# Altium PCB PCB1.PcbDoc
Units mm, origin at the board's own origin, x right, y up, seen from the top; angles counter-clockwise.
Board outline 75.25 x 70.5 mm, 2 copper layers (Top Layer, Bottom Layer); 26 components, 28 nets, 106 pads, 1 vias.
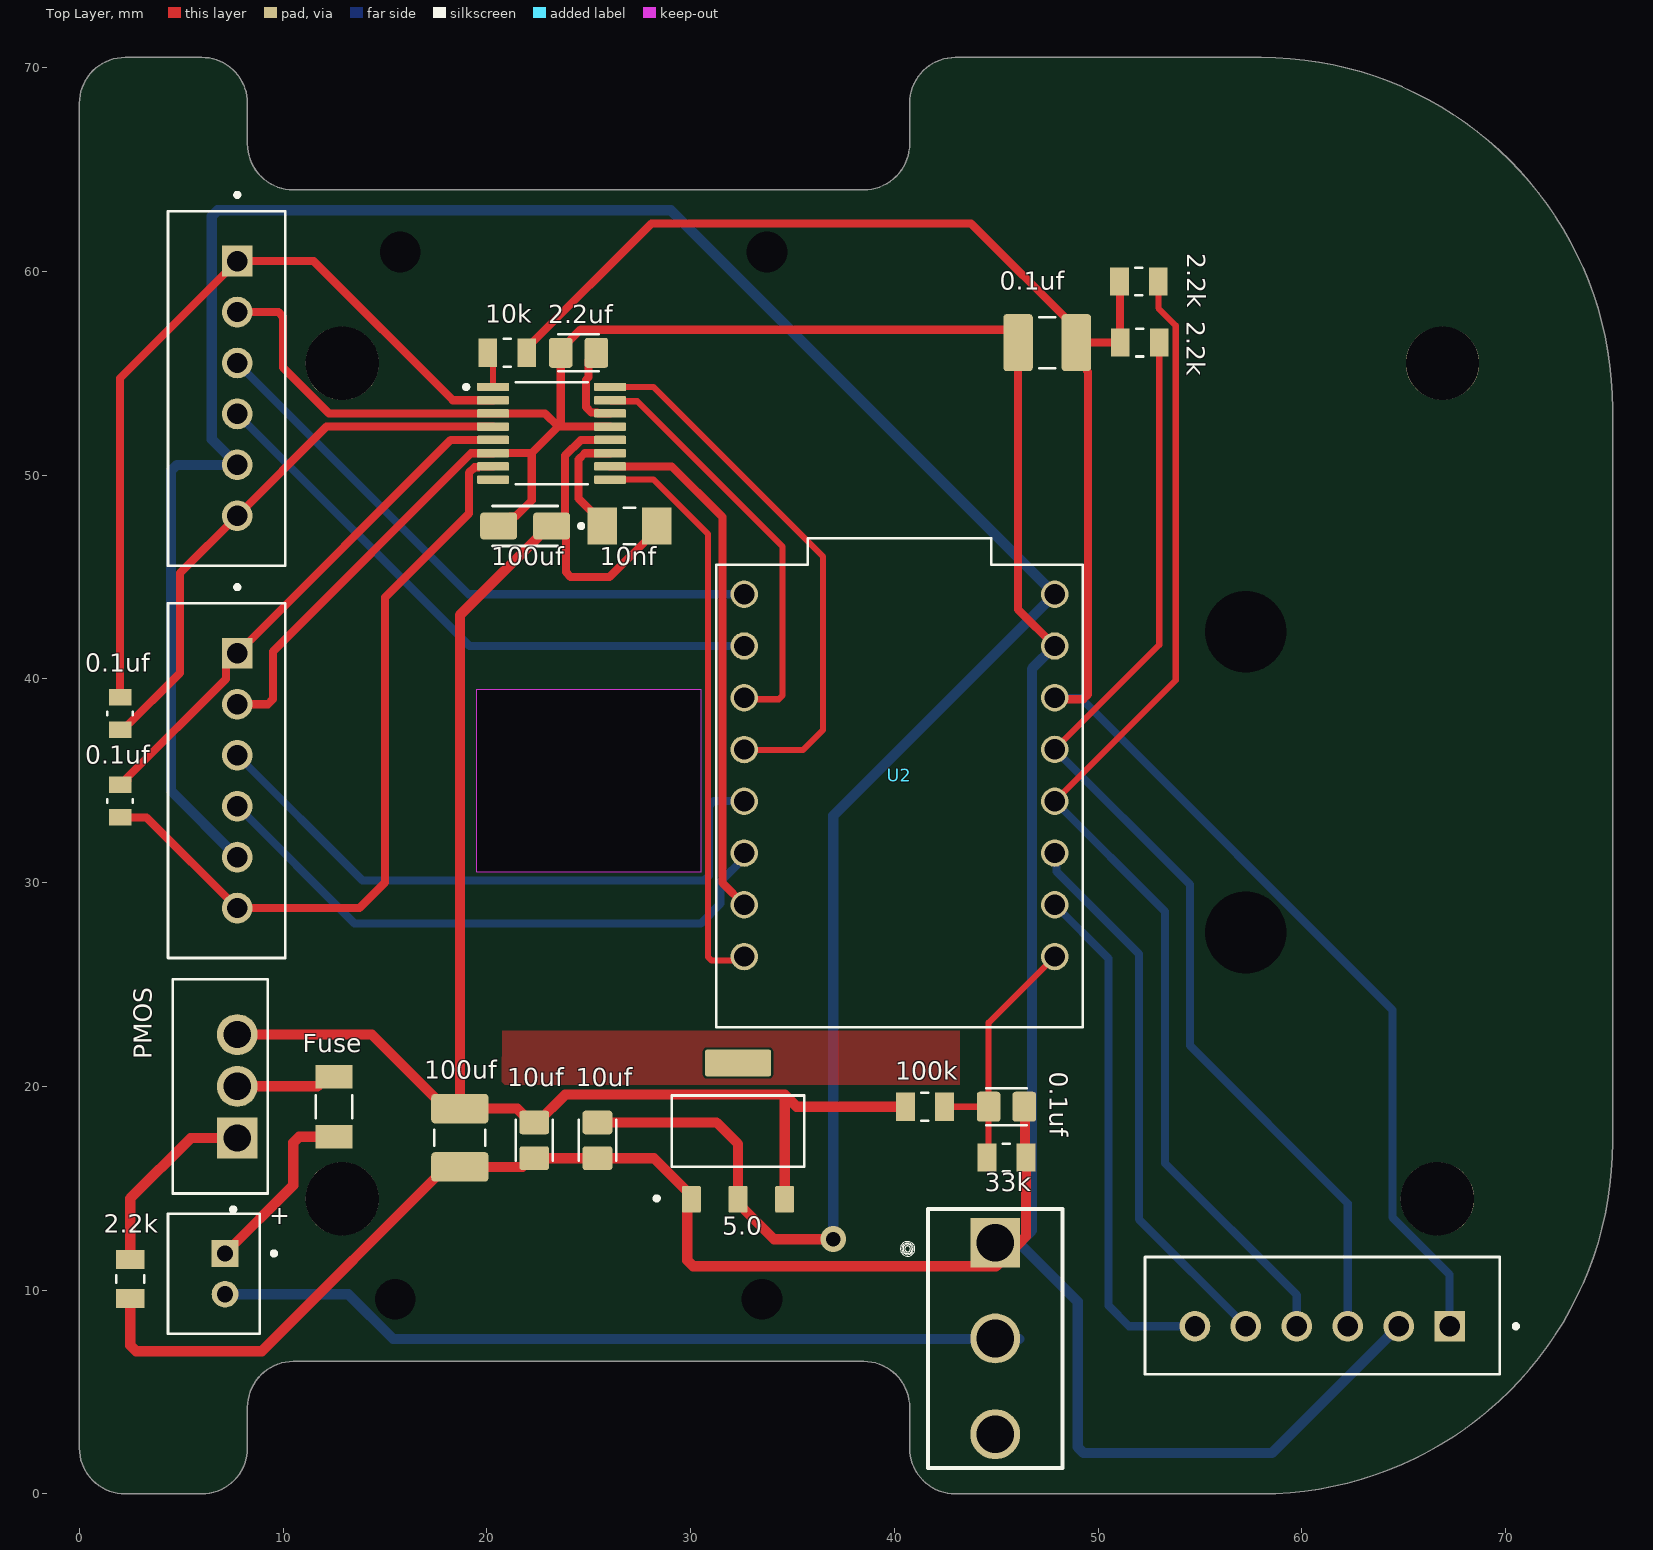
[diagram p0: Top Layer view]
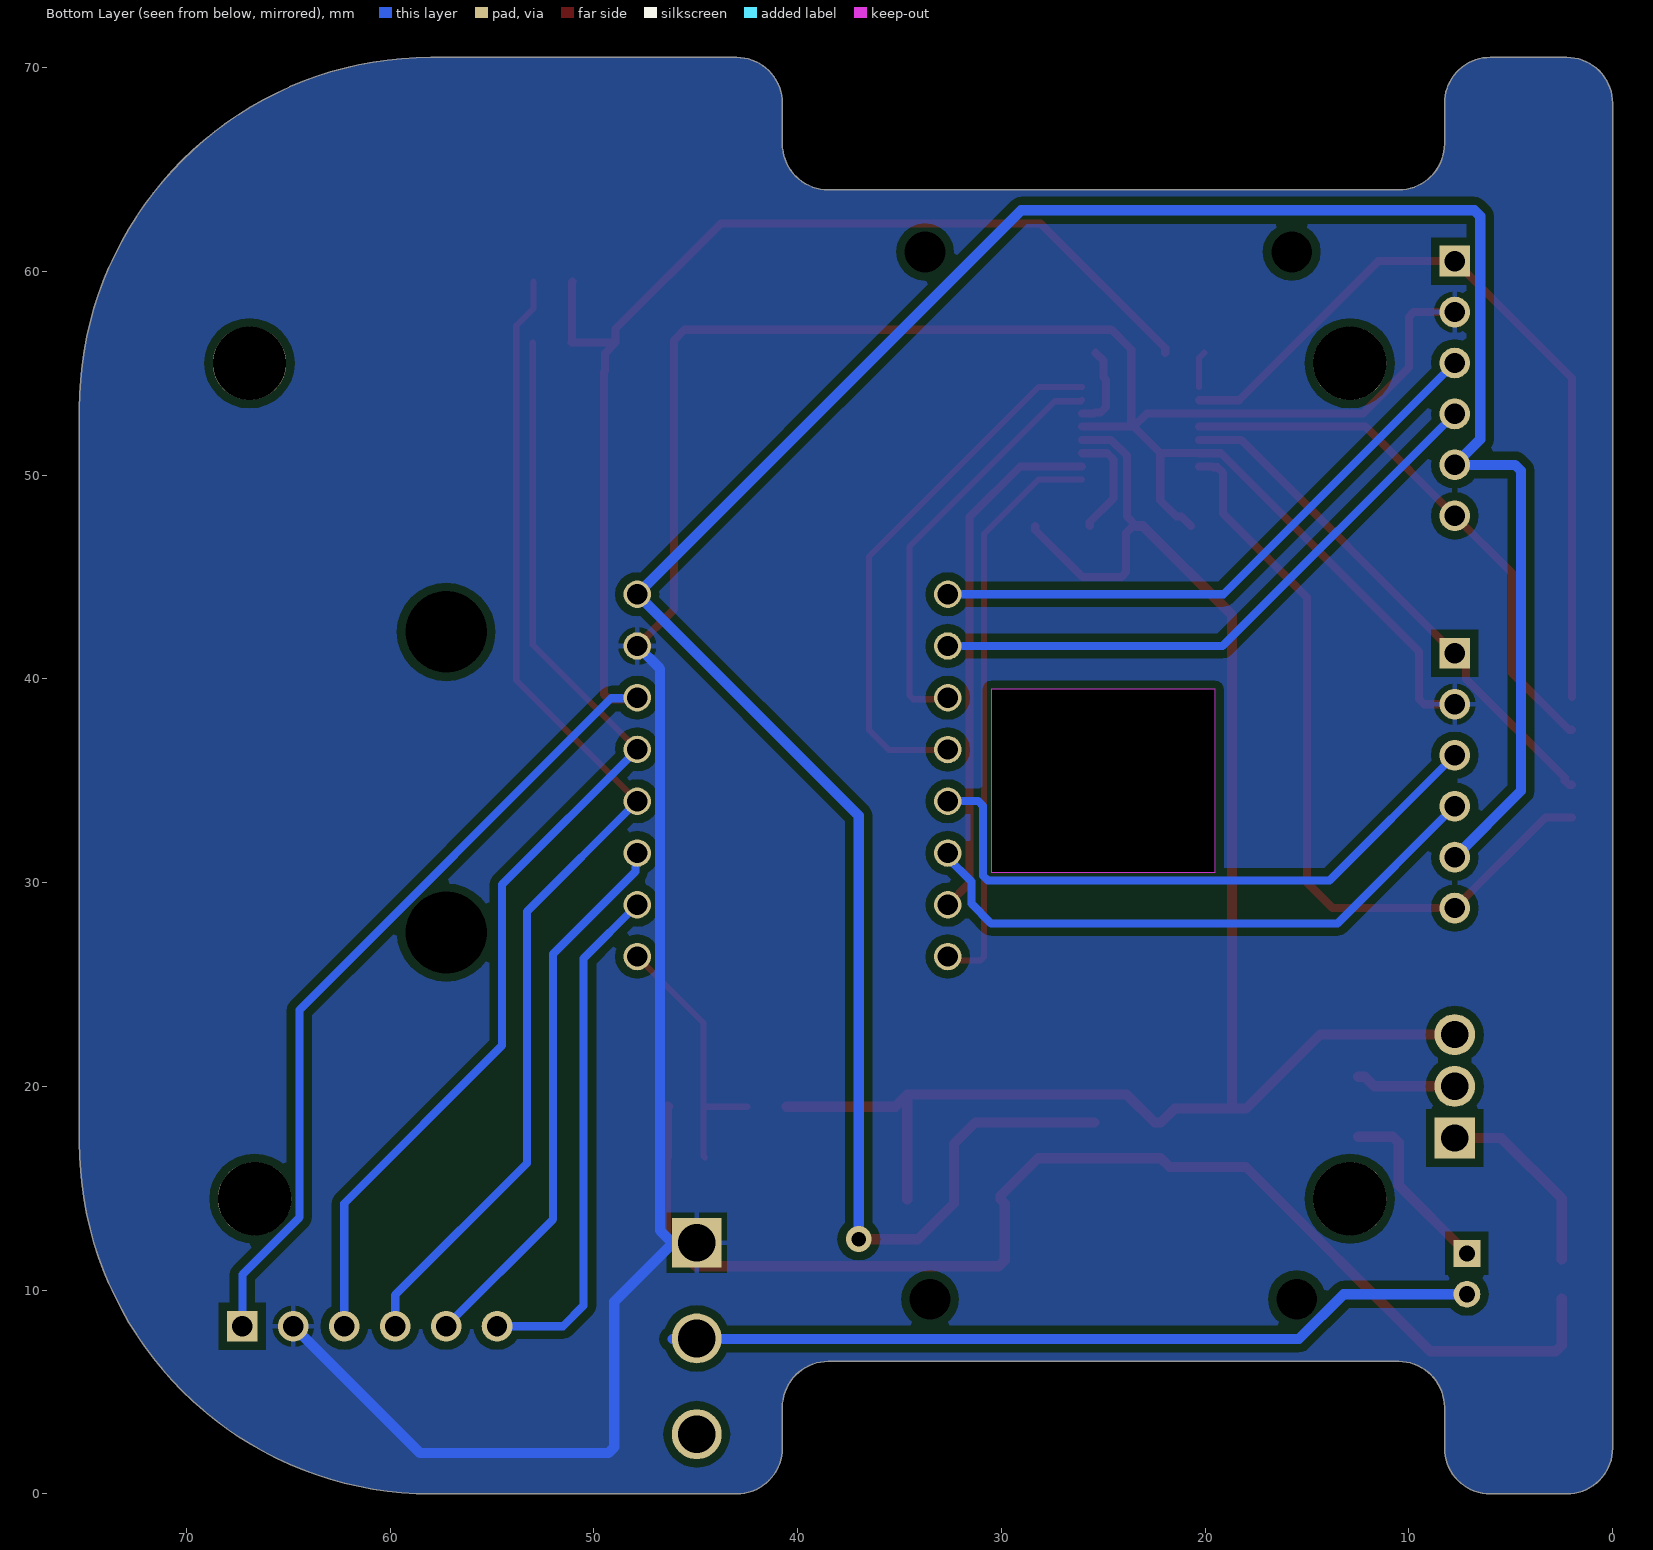
[diagram p1: Bottom Layer view, seen from below]

## Layer stack, top to bottom
Top Solder: solder mask 0.0102, Solder Resist, Dk 3.5
Top Layer: signal copper 0.0356
Dielectric 1: dielectric 0.32, FR-4, Dk 4.8
Bottom Layer: signal copper 0.0356
Bottom Solder: solder mask 0.0102, Solder Resist, Dk 3.5

## Board outline
2.25,0 6,0 ccw(c6,2.25) 8.25,2.25 8.25,4.25 cw(c10.5,4.25) 10.5,6.5 38.5,6.5 cw(c38.5,4.25) 40.75,4.25 40.75,2.25 ccw(c43,2.25) 43,0 58,0 ccw(c58,17.25) 75.25,17.25 75.25,53.25 ccw(c58,53.25) 58,70.5 43,70.5 ccw(c43,68.25) 40.75,68.25 40.75,66.25 cw(c38.5,66.25) 38.5,64 10.5,64 cw(c10.5,66.25) 8.25,66.25 8.25,68.25 ccw(c6,68.25) 6,70.5 2.25,70.5 ccw(c2.25,68.25) 0,68.25 0,2.25 ccw(c2.25,2.25)
cut-out: 19.5,30.5 19.5,39.5 30.5,39.5 30.5,30.5

## Design rules (kind name [scope] priority, off if disabled: settings)
Clearance clear [InNamedPolygon('+5_L01_P003')] p1: gap=0.1 ignorepadtopadclearanceinfootprint=FALSE
Clearance polygon [InPolygon] p2: gap=0.4 ignorepadtopadclearanceinfootprint=FALSE
Clearance [All] p3: gap=0.2 ignorepadtopadclearanceinfootprint=FALSE
HoleSize [All] p1: absolutevalues=TRUE maxlimit=4.54 minlimit=0.025 maxpercent=80.000 minpercent=20.000
MinimumSolderMaskSliver [All] p1: minsoldermaskwidth=0.1
PolygonConnect [All] p1: connectstyle=Relief reliefconductorwidth=0.254 reliefentries=4 polygonreliefangle="90 Angle" airgapwidth=0.254
RoutingVias [All] p1: holewidth=0.711 width=1.27 viastyle="Through Hole" minholewidth=0.711 minwidth=1.27 maxholewidth=0.711 maxwidth=1.27
SilkToSilkClearance [All] p1: silktosilkclearance=0.001
SilkToSolderMaskClearance [IsPad] p1: minsilkscreentomaskgap=0.001 clearancetoexposedcopper=TRUE
SolderMaskExpansion [All] p1: expansion=0.05 istentingtop=FALSE
SupplyNets "Schematic Supply Nets_3" [InNet('GND')] p1: voltage=0.000
SupplyNets "Schematic Supply Nets_2" [InNet('VCC')] p2: voltage=0.000
SupplyNets "Schematic Supply Nets_1" [InNet('+5')] p3: voltage=0.000
SupplyNets "Schematic Supply Nets" [InNet('+3.3')] p4: voltage=0.000
Width All [All] p1: maxlimit=0.8 minlimit=0.2 preferedwidth=0.4
26 further rules are at their usual default settings.

## Components (designator, comment, footprint, x,y, rotation, side; value= is the part's Value field where it differs from the comment)
0.1uf "0.1uf" CAPC3225X280N 47.5,56.5 r180 top (schematic designator C9)
0.1uf "C0805C473K1RACTU" CAPC2012X88N 45.5,19 r0 top (schematic designator C8)
0.1uf "0.1uf" CAP_ECHU1H181GX5 2,34 r90 top (schematic designator C5)
0.1uf "0.1uf" CAP_ECHU1H181GX5 2,38.3 r90 top (schematic designator C4)
2.2k "RC0805JR-0739RL" RESC2012X60N 2.5,10.545 r90 top (schematic designator R5)
2.2k "RC0805JR-0739RL" RESC2012X60N 52,59.5 r0 top (schematic designator R3)
2.2k "RC0805JR-0739RL" RESC2012X60N 52.045,56.5 r0 top (schematic designator R2)
2.2uf "C0805C473K1RACTU" CAPC2012X88N 24.5,56 r180 top (schematic designator C1)
5.0 "AMS1117-5.0" SOT229P700X180-4N 32.325,17.8 r0 top (schematic designator U3)
10k "RC0805JR-0739RL" RESC2012X60N 21,56 r180 top (schematic designator R1)
10nf "C3216NP02J103J160AA" CAPC3216X180N 27,47.5 r0 top (schematic designator C2)
10uf "C0805C473K1RACTU" CAPC2012X88N 22.325,17.35 r90 top (schematic designator C11)
10uf "C0805C473K1RACTU" CAPC2012X88N 25.425,17.35 r270 top (schematic designator C10)
33k "RC0805JR-0739RL" RESC2012X60N 45.5,16.5 r180 top (schematic designator R6)
100k "RC0805JR-0739RL" RESC2012X60N 41.5,19 r180 top (schematic designator R4)
100uf "100uf" CAPC3225X280N 18.675,17.475 r270 top (schematic designator C6)
100uf "TAJA106M010RNJ" CAPMP3216X180N 21.878,47.5 r180 top (schematic designator C3)
+ "B2B-PH-K-S" JST_B2B-PH-K-S 6.6,10.8 r90 top (schematic designator J4)
Fuse "1206L035YR" FUSC3216X75N 12.5,19 r90 top (schematic designator F1)
J1 "B6B-XH-A" JST_B6B-XH-A 7.225,54.25 r90 top
J2 "B6B-XH-A" JST_B6B-XH-A 7.225,35 r90 top
J3 "B6B-XH-A" JST_B6B-XH-A 61,8.75 r0 top
PMOS "IRF9540" TO254P1052X465X1989-3 7.75,17.46 r90 top (schematic designator Q2)
S1 "1101M2S3CQE2" SW_1101M2S3CQE2 44.95,7.625 r0 top
U1 "DRV8833PW" SOP65P640X120-16N 23.175,52.05 r0 top
U2 "ESP32-C3_SUPERMINI_TH" MODULE_ESP32-C3_SUPERMINI_TH 40.25,34.25 r0 top

## Footprints (in the part's own frame and the unit in brackets; to place one, negate y for a bottom-side part, rotate by r counter-clockwise, add the part's x,y. Pads: shape width x height; smd on the part's side, far side on the other; paste and mask are expansions set on the pad)
CAP_ECHU1H181GX5 [mm]
  rect 0.8x1.1 smd: 1(-0.8,0) 2(0.8,0)
  silkscreen extent -0.08,-0.62 0.08,0.62, body extent -1,-0.63 1,0.63, height 0.9
CAPC2012X88N [mm]
  rrect25% 1.16x1.47 smd: 1(-0.875,0) 2(0.875,0)
  silkscreen extent -1,-0.92 1,0.91, body extent -1,-0.63 1,0.63, height 1.1
CAPC3216X180N [mm]
  rect 1.44x1.82 smd: 1(-1.336,0) 2(1.336,0)
  silkscreen extent -0.29,-0.9 0.29,0.9, body extent -1.6,-0.8 1.6,0.8, height 1.8
CAPC3225X280N [mm]
  rrect25% 1.45x2.81 smd paste+0 mask+0.102: 1(-1.43,0) 2(1.43,0)
  silkscreen extent -0.39,-1.25 0.39,1.25, body extent -1.6,-1.25 1.6,1.25, height 2.8
CAPMP3216X180N [mm]
  rrect25% 1.81x1.32 smd: 1(-1.3,0) 2(1.3,0)
  silkscreen extent -2.85,-0.98 1.6,0.98, body extent -1.6,-0.8 1.6,0.8, height 1.8
FUSC3216X75N [mm]
  rect 1.16x1.82 smd: 1(-1.475,0) 2(1.475,0)
  silkscreen extent -0.57,-0.9 0.57,0.9, body extent -1.6,-0.8 1.6,0.8, height 0.75
JST_B2B-PH-K-S [mm]
  rect 1.308x1.308 / inner round 1.308 / far side rect 1.308x1.308 hole 0.8: 1(1,-0.55)
  round 1.308 hole 0.8: 2(-1,-0.55)
  silkscreen extent -2.95,-3.05 2.95,2.25, body extent -2.95,-2.25 2.95,2.25, height 6
JST_B6B-XH-A [mm]
  rect 1.508x1.508 / inner round 1.508 / far side rect 1.508x1.508 hole 1: 1(6.25,-0.525)
  round 1.508 hole 1: 2(3.75,-0.525) 3(1.25,-0.525) 4(-1.25,-0.525) 5(-3.75,-0.525) 6(-6.25,-0.525)
  silkscreen extent -8.7,-2.88 9.6,2.87, body extent -8.7,-2.88 8.7,2.88, height 7
MODULE_ESP32-C3_SUPERMINI_TH [mm]
  round 1.348 hole 1: 0(7.62,-7.88) 1(7.62,-5.34) 2(7.62,-2.8) 3(7.62,-0.26) 3.3(7.62,4.826) 4(7.62,2.286) 5(-7.62,9.9) 5V(7.62,9.9) 6(-7.62,7.36) 7(-7.62,4.82) 8(-7.62,2.28) 9(-7.62,-0.26) 10(-7.62,-2.8) 20(-7.62,-5.34) 21(-7.62,-7.88) G(7.62,7.36)
  silkscreen extent -9,-11.35 9,12.65, body extent -9,-11.35 9,12.65, height 4.16
RESC2012X60N [mm]
  rect 0.92x1.38 smd paste+0 mask+0.102: 1(-0.955,0) 2(0.955,0)
  silkscreen extent -0.17,-0.68 0.17,0.68, body extent -1,-0.63 1,0.63, height 0.6
SOP65P640X120-16N [mm]
  rrect25% 1.57x0.41 smd: 1(-2.87,2.275) 2(-2.87,1.625) 3(-2.87,0.975) 4(-2.87,0.325) 5(-2.87,-0.325) 6(-2.87,-0.975) 7(-2.87,-1.625) 8(-2.87,-2.275) 9(2.87,-2.275) 10(2.87,-1.625) 11(2.87,-0.975) 12(2.87,-0.325) 13(2.87,0.325) 14(2.87,0.975) 15(2.87,1.625) 16(2.87,2.275)
  silkscreen extent -4.29,-2.5 1.77,2.5, body extent -3.2,-2.5 3.2,2.5, height 1.2
SOT229P700X180-4N [mm]
  rrect15% 0.93x1.31 smd: 1(-2.29,-3.345) 2(0,-3.345) 3(2.29,-3.345)
  rrect15% 3.24x1.31 smd: 4(0,3.345)
  silkscreen extent -4.09,-3.4 3.25,1.75, body extent -3.25,-3.5 3.25,3.5, height 1.8
SW_1101M2S3CQE2 [mm]
  rect 2.45x2.45 / inner round 2.45 / far side rect 2.45x2.45 hole 1.85: 1(0,4.7)
  round 2.45 hole 1.85: 2(0,0) 3(0,-4.7)
  silkscreen extent -4.66,-6.35 3.3,6.35, body extent -3.3,-6.35 3.3,6.35, height 13.33
TO254P1052X465X1989-3 [mm]
  rect 2.01x2.01 / inner round 2.01 / far side rect 2.01x2.01 hole 1.34: 1(0,0)
  round 2.01 hole 1.34: 2(2.54,0) 3(5.08,0)
  silkscreen extent -3.6,-1.5 7.8,3.16, body extent -2.58,-1.65 7.66,2.79, height 15.9

## Part data
0.1uf 100uf: library part CL32A107MQVNNWE, "100 ÂµF Â±20% 6.3V Ceramic Capacitor X5R 1210 (3225 Metric)", Package="SMD-2 Samsung", Check_prices=https://www.snapeda.com/parts/CL32A107MQVNNWE/Samsung/view-part/?ref=eda, MF=Samsung, MP=CL32A107MQVNNWE, SnapEDA_Link=https://www.snapeda.com/parts/CL32A107MQVNNWE/Samsung/view-part/?ref=snap
0.1uf 2.2uf 10uf 10uf: "0805 X7R ceramic capacitor,47nF 100V", Package="805-2 KEMET", Check_prices=https://www.snapeda.com/parts/C0805C473K1RACTU/KEMET/view-part/?ref=eda, MF=KEMET, MP=C0805C473K1RACTU, SnapEDA_Link=https://www.snapeda.com/parts/C0805C473K1RACTU/KEMET/view-part/?ref=snap
0.1uf 0.1uf: library part ECHU1H181GX5, "Capacitor Pps Film, 180pf, 50v, 2%, 0805capacitor Pps Film, 180pf, 50v, 2%, 0805", Package="0805-2 Panasonic", Check_prices=https://www.snapeda.com/parts/ECHU1H181GX5/Panasonic/view-part/?ref=eda, Digi-Key_Part_Number=PCF1287TR-ND, MF=Panasonic, MP=ECHU1H181GX5, Purchase-URL=https://pricing.snapeda.com/search/part/ECHU1H181GX5/?ref=eda, SnapEDA_Link=https://www.snapeda.com/parts/ECHU1H181GX5/Panasonic/view-part/?ref=snap
2.2k 2.2k 2.2k 10k 33k 100k: "Surface Mount Thick Film Resistor, RC Series, 39 ohm, 125 mW, - 5%, 150 V, 0805 [2012 Metric]", Package="2012 Yageo", Check_prices=https://www.snapeda.com/parts/RC0805JR-0739RL/Yageo/view-part/?ref=eda, MF=Yageo, MP=RC0805JR-0739RL, SnapEDA_Link=https://www.snapeda.com/parts/RC0805JR-0739RL/Yageo/view-part/?ref=snap
5.0: "1A LOW DROPOUT VOLTAGE REGULATOR", Package="SOT-223 Seeed Technology", Availability="Not in stock", Check_prices=https://www.snapeda.com/parts/AMS1117-5.0/ams/view-part/?ref=eda, MF=ams, MP=AMS1117-5.0, Price=None, SnapEDA_Link=https://www.snapeda.com/parts/AMS1117-5.0/ams/view-part/?ref=snap
10nf: "C Series 1206 10 nF 630 V Â±5 % Tolerance NP0 SMT Multilayer Ceramic Capacitor", Package="3216 TDK", Availability="In Stock", Check_prices=https://www.snapeda.com/parts/C3216NP02J103J160AA/TDK/view-part/?ref=eda, MF=TDK, MP=C3216NP02J103J160AA, Price=None, Purchase-URL=https://pricing.snapeda.com/search/part/C3216NP02J103J160AA/?ref=eda, SnapEDA_Link=https://www.snapeda.com/parts/C3216NP02J103J160AA/TDK/view-part/?ref=snap
100uf: "Capacitor;Tantalum;Cap 10uF;Tol 20%;SMT;Vol-Rtg 10V;Code 3216;TR", Package="1206 AVX", Check_prices=https://www.snapeda.com/parts/TAJA106M010RNJ/AVX/view-part/?ref=eda, MF=AVX, MP=TAJA106M010RNJ, SnapEDA_Link=https://www.snapeda.com/parts/TAJA106M010RNJ/AVX/view-part/?ref=snap
+: "Connector Header Through Hole 2 position 0.079 (2.00mm)", Package=None, Check_prices=https://www.snapeda.com/parts/B2B-PH-K-S/JST/view-part/?ref=eda, MF="JST Sales America Inc.", MP=B2B-PH-K-S, SnapEDA_Link=https://www.snapeda.com/parts/B2B-PH-K-S/JST/view-part/?ref=snap
Fuse: "Polymeric PTC Resettable Fuse 6V 350 mA Ih Surface Mount 1206 (3216 Metric), Concave", Package="1206 Littelfuse", Check_prices=https://www.snapeda.com/parts/1206L035YR/Littelfuse/view-part/?ref=eda, MF="Littelfuse Inc.", MP=1206L035YR, SnapEDA_Link=https://www.snapeda.com/parts/1206L035YR/Littelfuse/view-part/?ref=snap
J1 J2 J3: Package=None, Availability=Unavailable, MF="{'manufacturer': u'JST Sales America Inc.'}", MP=B6B-XH-A, Price=None
PMOS: "P-Channel 100 V 19A (Tc) 3.7W (Ta), 150W (Tc) Surface Mount DÂ²PAK (TO-263)", Package="TO-220-3 Vishay", Check_prices=https://www.snapeda.com/parts/IRF9540/Vishay+Siliconix/view-part/?ref=eda, MF=Vishay, MP=IRF9540, SnapEDA_Link=https://www.snapeda.com/parts/IRF9540/Vishay+Siliconix/view-part/?ref=snap
S1: "Switch,Slide,Sealed,SPDT,ON-NONE-ON,PC Mnt,.200 Blk Act,6A,120VAC,PC Thru-Hole", Package=None, Check_prices=https://www.snapeda.com/parts/1101M2S3CQE2/C%2526K/view-part/?ref=eda, MF=C&K, MP=1101M2S3CQE2, SnapEDA_Link=https://www.snapeda.com/parts/1101M2S3CQE2/C%2526K/view-part/?ref=snap
U1: "10.8-V, 2-A dual H-bridge motor driver with current regulation", Package="TSSOP-16 Texas Instruments", Check_prices=https://www.snapeda.com/parts/DRV8833PW/Texas+Instruments/view-part/?ref=eda, MF="Texas Instruments", MP=DRV8833PW, SnapEDA_Link=https://www.snapeda.com/parts/DRV8833PW/Texas+Instruments/view-part/?ref=snap
U2: "Super tiny ESP32-C3 board", Package=Package, Check_prices=https://www.snapeda.com/parts/ESP32-C3%20SuperMini_TH/Espressif+Systems/view-part/?ref=eda, MF="Espressif Systems", MP="ESP32-C3 SuperMini_TH", SnapEDA_Link=https://www.snapeda.com/parts/ESP32-C3%20SuperMini_TH/Espressif+Systems/view-part/?ref=snap

## Free pads (board coordinates)
  round 0 hole 2: 22(33.5,9.55) 23(15.5,9.55) 25(33.75,60.95) 26(15.75,60.95)
  round 0 hole 4: 28(57.25,27.55) 28(57.25,42.3)
  round 3.6 hole 3.6 unplated: MH1(12.9,55.483) MH2(12.9,14.483) MH3(66.65,14.483) MH4(66.9,55.483)

## Via types
v1: diameter 1.27, hole 0.711, Top Layer to Bottom Layer, 1 vias

## Nets (pads, with @x,y where several pads share a name; then routed paths per layer and width w, separated by ;. In a path a pad name is that pad's centre, name@x,y a point inside that pad or via, vN(x,y) a via of type N, cw(c..) or ccw(c..) an arc to the next point about the centre after c; other vN are vias at no path point)
+3.3: 0.1uf.1@48.93,56.5 2.2k.1@51.09,56.5 2.2k.1@51.045,59.5 10k.1 J3.1 U2.3.3 | length 96.6
  Top Layer w0.4: 10k.1 21.955,56.23 28.075,62.35 43.76,62.35 48.93,57.18 0.1uf.1@48.93,56.5 ; U2.3.3 47.946,39 49.266,39 49.5,39.234 49.5,55.061 49.455,55.106 49.455,55.975 0.1uf.1@48.93,56.5 ; 2.2k.1@51.045,59.5 51.067,59.478 51.067,56.522 51.09,56.5 0.1uf.1@48.93,56.5
  Bottom Layer w0.4: U2.3.3 47.896,39.05 49.144,39.05 64.45,23.744 64.45,13.572 67.25,10.772 J3.1
+5: 5.0.2 10uf.1@25.425,18.225 J1.5 J2.5 U2.5V | length 137.5
  Top Layer w0.5: 10uf.1@25.425,18.225 31.275,18.225 32.325,17.175 5.0.2 32.325,14.265 34.09,12.5 v1(37,12.5)
  Bottom Layer w0.5: J2.5 4.5,34.5 4.5,50.207 4.793,50.5 J1.5 6.5,51.75 6.5,62.707 6.793,63 29.02,63 U2.5V 37,33.28 v1(37,12.5)
AI1: U1.16 U2.8 | length 26.7
  Top Layer w0.3: U1.16 28.175,54.325 36.5,46 36.5,37.5 35.5,36.5 32.66,36.5 U2.8
AI2: U1.15 U2.7 | length 20.7
  Top Layer w0.3: U1.15 26.1,53.62 27.38,53.62 34.5,46.5 34.5,39.176 34.324,39 32.7,39 U2.7
AO1: 0.1uf.2@2,39.1 J1.1 U1.2 | length 39.2
  Top Layer w0.4: 0.1uf.2@2,39.1 2,54.75 J1.1 11.5,60.5 18.325,53.675 U1.2
AO2: 0.1uf.1@2,37.5 J1.6 U1.4 | length 27.3
  Top Layer w0.4: 0.1uf.1@2,37.5 2.15,37.5 4.944,40.294 4.944,45.194 J1.6 12.125,52.375 U1.4
AS1: J1.3 U2.5 | length 29.6
  Bottom Layer w0.4: J1.3 19.1,44.15 U2.5
AS2: J1.4 U2.6 | length 29.6
  Bottom Layer w0.4: J1.4 19.14,41.61 U2.6
BI1: U1.9 U2.21 | length 28.6
  Top Layer w0.3: U1.9 28.186,49.775 30.85,47.111 30.85,26.35 31.026,26.174 32.434,26.174 U2.21
BI2: U1.10 U2.20 | length 26
  Top Layer w0.4: U1.10 29.075,50.425 31.556,47.944 31.556,29.984 U2.20
BO1: 0.1uf.2@2,34.8 J2.1 U1.5 | length 25.8
  Top Layer w0.4: 0.1uf.2@2,34.8 2.15,34.8 2.35,35 2.35,35.15 7.196,39.996 7.196,40.696 J2.1 18.225,51.725 U1.5
BO2: 0.1uf.1@2,33.2 J2.6 U1.7 | length 38.5
  Top Layer w0.4: 0.1uf.1@2,33.2 3.3,33.2 J2.6 13.75,28.75 15,30 15,44 19.12,48.12 19.12,50.116 19.384,50.38 19.583,50.38 19.623,50.42 20.3,50.42 U1.7
BS1: J2.3 U2.9 | length 31.1
  Bottom Layer w0.4: J2.3 13.9,30.1 30.666,30.1 30.9,30.334 30.9,33.766 31.134,34 32.62,34 U2.9
BS2: J2.4 U2.10 | length 29.5
  Bottom Layer w0.4: J2.4 13.5,28 30.5,28 31.474,28.974 31.474,30.06 32.63,31.216 U2.10
divider: 0.1uf.1@44.625,19 33k.2 100k.1 U2.0 | length 13.4
  Top Layer w0.3: 100k.1 0.1uf.1@44.625,19 ; 33k.2 44.625,16.58 0.1uf.1@44.625,19 ; U2.0 44.625,23.125 0.1uf.1@44.625,19
GND: 0.1uf.2@46.07,56.5 0.1uf.2@46.375,19 2.2k.1@2.5,9.59 2.2uf.2 5.0.1 10uf.1@22.325,16.475 10uf.2@25.425,16.475 33k.1 100uf.2 J1.2 J2.2 J3.2 S1.1 U1.3 U1.6 U1.13 U2.G | length 213.2
  Top Layer w0.4: J2.2 9.25,38.75 9.5,39 9.5,41.344 19.226,51.07 20.3,51.07 U1.6 22.202,51.075 ; J1.2 9.766,58 10,57.766 10,55.272 12.247,53.025 U1.3 22.853,53.025 23.503,52.375 ; 100uf.2@20.7,47.5 21.16,47.96 21.405,47.96 22.202,48.757 22.202,51.075 ; U1.13 23.503,52.375 ; U2.G 46.07,43.41 46.07,56.5 46.07,56.61 45.545,57.135 24.605,57.135 23.625,56.155 2.2uf.2 23.625,52.498 23.503,52.375 ; 22.202,51.075 23.503,52.375
  Top Layer w0.5: 2.2k.1@2.5,9.59 2.5,7.293 2.793,7 8.95,7 17.995,16.045 18.675,16.045 21.74,16.045 22.17,16.475 22.325,16.475 25.425,16.475 28.205,16.475 30.035,14.645 5.0.1 29.833,14.253 29.833,11.46 30.126,11.167 44.992,11.167 46.125,12.3 46.455,12.63 33k.1 46.415,16.54 46.415,18.96 0.1uf.2@46.375,19
  Bottom Layer w0.5: U2.G 46.746,40.486 46.746,12.921 46.125,12.3 49,9.425 49,2.293 49.293,2 58.525,2 J3.2
NetC1_1: 2.2uf.1 U1.14 | length 4.2
  Top Layer w0.4: 2.2uf.1 24.995,55.62 24.995,54.801 24.86,54.666 24.86,53.334 25.124,53.07 25.42,53.07 25.465,53.025 U1.14
NetC2_1: 10nf.1 U1.11 | length 5.4
  Top Layer w0.4: 10nf.1 25.664,47.69 24.5,48.854 24.5,50.766 24.804,51.07 26.04,51.07 U1.11
NetF1_1: +.1 Fuse.1 | length 8.9
  Top Layer w0.5: +.1 10.5,15.15 10.5,17.232 10.793,17.525 Fuse.1
NetF1_2: Fuse.2 PMOS.2 | length 4.9
  Top Layer w0.5: PMOS.2 11.695,20 12.17,20.475 Fuse.2
NetJ4_2: +.2 S1.2 | length 39.9
  Bottom Layer w0.5: +.2 13.199,9.8 15.399,7.6 S1.2@46.125,7.6
NetQ2_1: 2.2k.2@2.5,11.5 PMOS.1 | length 9.5
  Top Layer w0.5: 2.2k.2@2.5,11.5 2.5,14.5 5.46,17.46 PMOS.1
NetR1_2: 10k.2 U1.1 | length 1.8
  Top Layer w0.3: 10k.2 20.305,55.74 U1.1
SCL: 2.2k.2@53,56.5 J3.3 U2.4 | length 56.4
  Top Layer w0.3: U2.4 53,41.666 2.2k.2@53,56.5
  Bottom Layer w0.4: U2.4 54.5,29.906 54.5,22 62.25,14.25 J3.3
SDA: 2.2k.2@52.955,59.5 J3.4 U2.3 | length 59
  Top Layer w0.3: U2.3 53.81,39.93 53.81,57.335 52.955,58.19 2.2k.2@52.955,59.5
  Bottom Layer w0.4: U2.3 53.276,28.584 53.276,16.224 59.75,9.75 J3.4
VCC: 5.0.3 10nf.2 10uf.2@22.325,18.225 100k.2 100uf.1 PMOS.3 U1.12 | length 85.7
  Top Layer w0.4: U1.12 24.611,51.725 23.84,50.954 23.84,47.96 23.38,47.5 23.54,47.5 23.875,47.165 23.875,45.234 24.109,45 26.026,45 28.336,47.31 10nf.2
  Top Layer w0.5: PMOS.3 14.36,22.54 17.995,18.905 100uf.1@18.675,18.905 ; 100uf.1@23.38,47.5 23.3,47.5 23.055,47.5 18.675,43.12 100uf.1@18.675,18.905 ; 5.0.3 34.615,19.592 ; 100k.2 35.207,19 34.615,19.592 ; 100uf.1@18.675,18.905 21.49,18.905 22.17,18.225 22.325,18.225 22.48,18.225 23.847,19.592 34.615,19.592
XSHUT_Left: J3.5 U2.2 | length 27.1
  Bottom Layer w0.4: U2.2 47.961,31.359 47.961,30.539 52,26.5 52,13.475 J3.5
XSHUT_Right: J3.6 U2.1 | length 25.4
  Bottom Layer w0.4: U2.1 50.5,26.28 50.5,9.234 51.509,8.225 J3.6
pads on no net: 5.0.4 S1.3 U1.8

## Polygon pours and split planes (outlines as drawn)
GND on Bottom Layer "GND_L02_P000" (solid, remove dead copper, pour order 0): 2.25,0 6,0 ccw(c6,2.25) 8.25,2.25 8.25,4.25 cw(c10.5,4.25) 10.5,6.5 38.5,6.5 cw(c38.5,4.25) 40.75,4.25 40.75,2.25 ccw(c43,2.25) 43,0 58,0 ccw(c58,17.25) 75.25,17.25 75.25,53.25 ccw(c58,53.25) 58,70.5 43,70.5 ccw(c43,68.25) 40.75,68.25 40.75,66.25 cw(c38.5,66.25) 38.5,64 10.5,64 cw(c10.5,66.25) 8.25,66.25 8.25,68.25 ccw(c6,68.25) 6,70.5 2.25,70.5 ccw(c2.25,68.25) 0,68.25 0,2.25 ccw(c2.25,2.25)
+5 on Top Layer "+5_L01_P003" (solid, pour order 3): 20.763,22.725 43.2,22.725 43.2,20.075 20.738,20.075

## Silkscreen, mask and mechanical layers (free items; w line width, h text height)
Top Overlay:
Mechanical 1:
  lines w0.254: 0,2.25 ccw(c2.25,2.25) 2.25,0 6,0 ccw(c6,2.25) 8.25,2.25 8.25,4.25 cw(c10.5,4.25) 10.5,6.5 38.5,6.5 cw(c38.5,4.25) 40.75,4.25 40.75,2.25 ccw(c43,2.25) 43,0 58,0 ccw(c58,17.25) 75.25,17.25 75.25,52.5 75.25,53.25 ccw(c58,53.25) 58,70.5 57,70.5 43,70.5 ccw(c43,68.25) 40.75,68.25 40.75,66.25 cw(c38.5,66.25) 38.5,64 10.5,64 cw(c10.5,66.25) 8.25,66.25 8.25,68.25 ccw(c6,68.25) 6,70.5 2.25,70.5 ccw(c2.25,68.25) 0,68.25 0,2.25